# Altium PCB GameBoard_V1I1.PcbDoc (part 8 of 22) (continued)
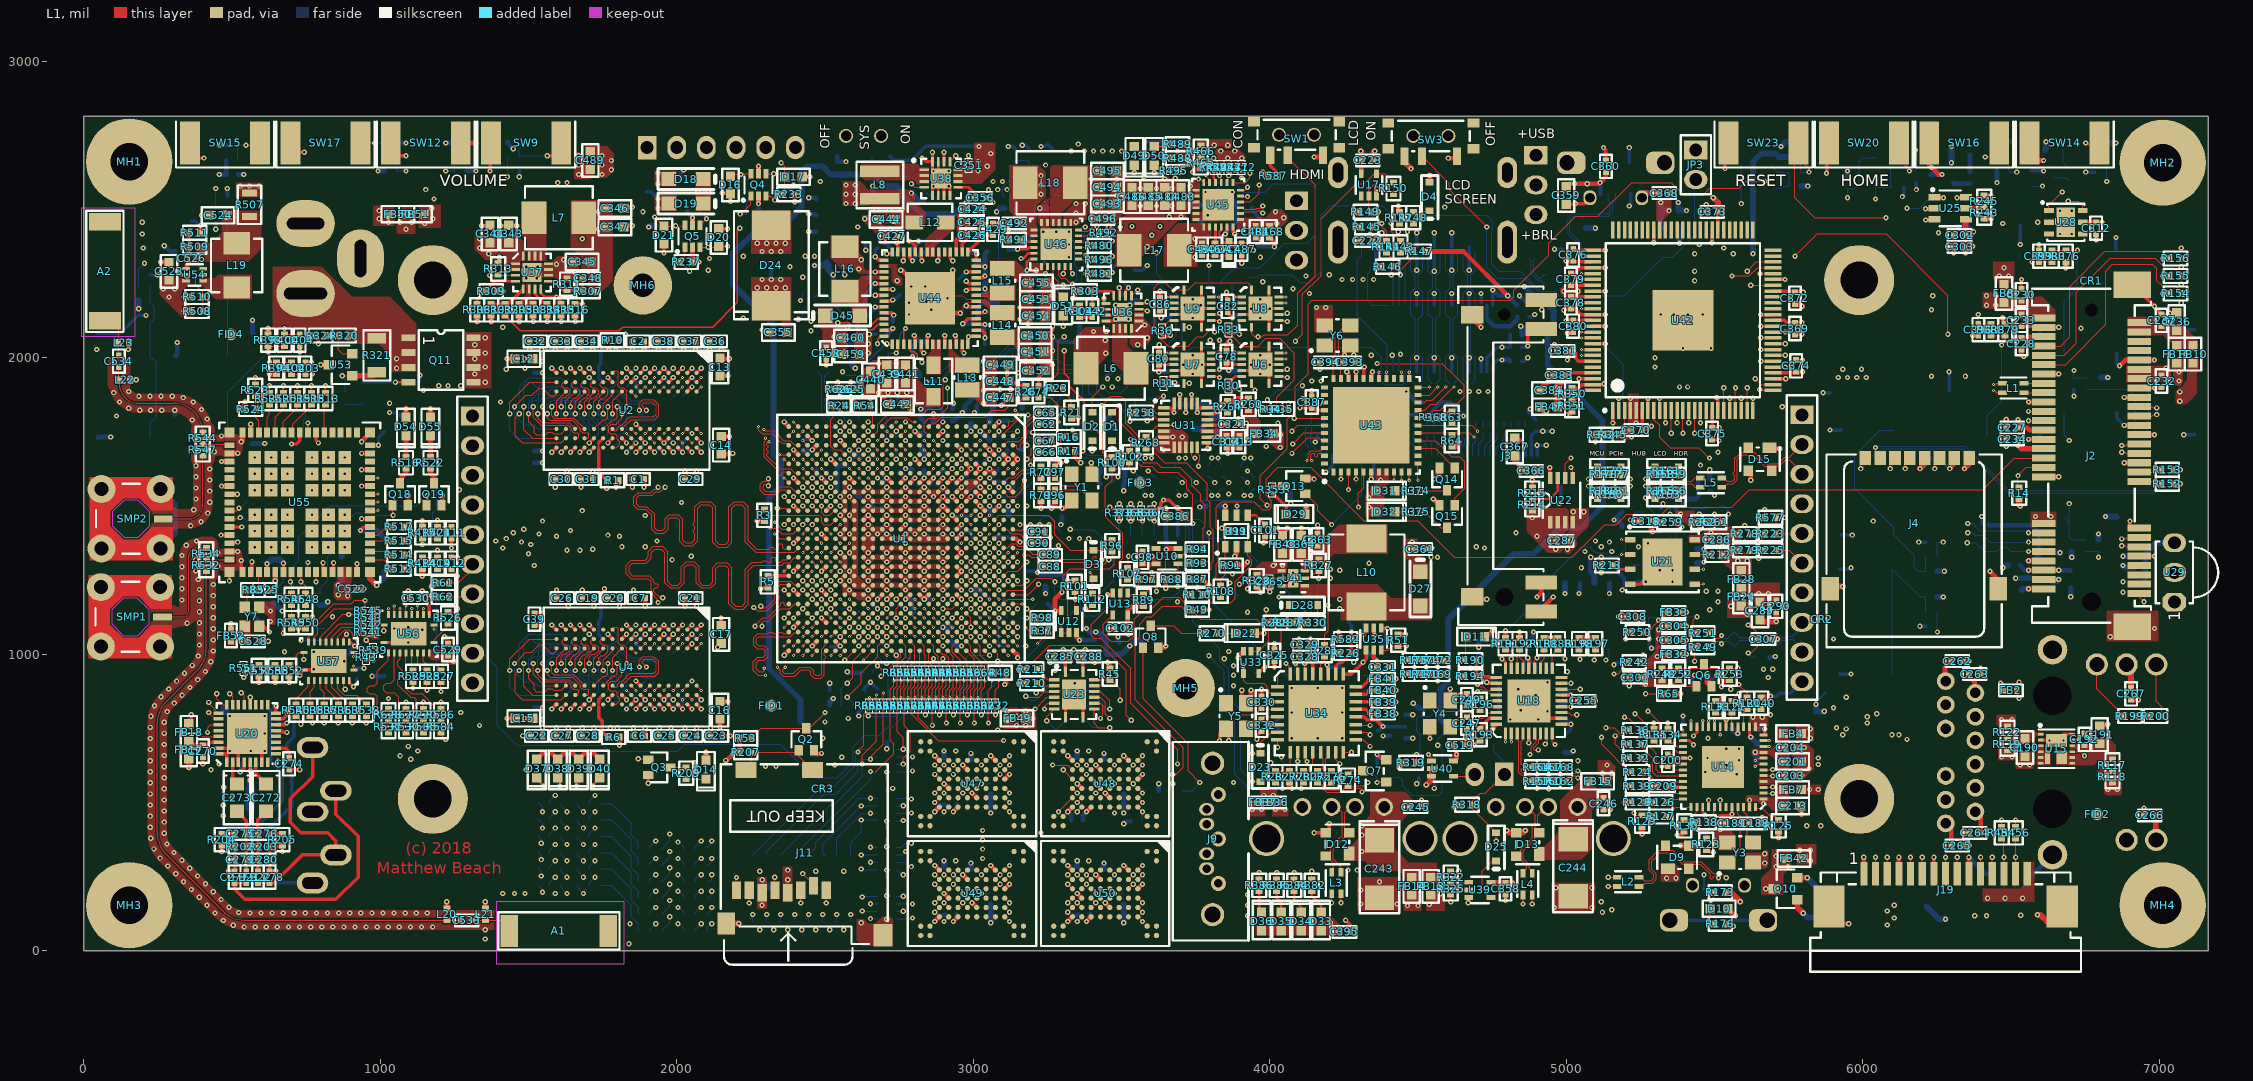
[diagram p0: L1 view]
## Nets (pads, with @x,y where several pads share a name; then routed paths per layer and width w, separated by ;. In a path a pad name is that pad's centre, name@x,y a point inside that pad or via, vN(x,y) a via of type N, cw(c..) or ccw(c..) an arc to the next point about the centre after c; other vN are vias at no path point) (continued)
  L10 w3.15: v2(1425.2,1960.63) 1431.1,1960.63 1441.93,1971.46 1441.93,2128.94 1731.3,2418.31 1745.08,2418.31 1818.9,2492.13 v1(1885.83,2492.13) ; v1(3933.07,2622.05) 3933.07,2610.24 3910.43,2587.6 3910.43,2425.32 3968.5,2367.25 v1(3968.5,2338.58)
  L2 w3.15: v4(2618.11,992.13) v3(2629.92,980.31)
  L12 w3.15: v1(3933.07,2622.05) 3933.07,2645.67 TP48.1@3944.88,2657.48
CHARGE_INT2: R481.1 U46.7 | length 110.9
  L1 w3.15: U46.7@3354.33,2332.68 3367.13,2332.68 3392.72,2307.09 3421.26,2307.09 R481.1@3444.88,2283.46
COMP_1V375: C342.2 R303.2 U36.8 | length 137.5
  L1 w9.06: C342.2@3401.57,2177.17 3401.57,2220.47 R303.2@3397.64,2224.41 3468.5,2224.41 3474.41,2218.5 U36.8@3474.41,2209.05
COMP_3V3_HDR: C349.2 R315.2 U37.8 | length 134.2
  L1 w9.84: U37.8@1541.34,2231.89 1541.34,2218.5 1555.12,2204.72 v1(1594.49,2204.72) 1610.24,2188.98 R315.2@1610.24,2181.1
  L12 w11.81: v1(1594.49,2204.72) 1594.49,2200.79 C349.2@1614.17,2181.1
COMP_BYP: C322.1 C323.1 U30.2 | length 93.2
  L12 w3.15: C323.1@5228.35,1429.13 C322.1@5267.72,1429.13 5271.65,1433.07 U30.2@5319.88,1433.07
COMP_C1: C320.1 U30.15 | length 53.1
  L12 w3.15: C320.1@5358.27,1354.33 5358.27,1370.08 5370.08,1381.89 U30.15@5370.08,1402.56
COMP_CRST: C324.1 R263.2 U30.8 | length 130.5
  L12 w15.75: U30.8@5389.76,1502.95 5389.76,1503.94 5409.45,1523.62 5437.01,1523.62 5444.88,1531.5 R263.2@5444.88,1594.49
COMP_INT: R47.1 R255.2 R257.2 U1.N25 | length 4079.3
  L1 w3.15: v2(2677.17,960.63) 2688.98,948.82 2713.79,948.82 2755.91,990.93 U1.N25@2755.91,1011.81
  L3 w3.15: v2(2677.17,960.63) 2665.51,960.63 2622.05,917.17 2622.05,863.98 2638.19,847.83 2699.98,847.83 2740.92,888.78 3046.26,888.78 3104.33,830.71 3204.72,830.71 3212.6,838.58 3291.34,838.58 3303.15,826.77 3367.13,826.77 3434.06,893.7 3523.62,893.7 3649.61,767.72 3777.87,767.72 3838.58,828.43 3838.58,900.9 3846.46,908.77 v1(3846.46,984.25) ; v1(3874.02,1271.65) 3880.91,1271.65 3882.38,1270.18 3899.61,1287.4 3966.59,1287.4 3982.34,1271.65 4041.03,1271.65 4060.71,1251.97 4091.54,1251.97 4110.24,1233.27 4219.03,1233.27 4233.79,1248.03 4267.72,1248.03 4291.34,1271.65 5064.37,1271.65 5101.17,1308.46 5143.1,1308.46 5173.23,1338.58 5173.23,1366.14 5161.42,1377.95 v1(5145.67,1377.95)
  L10 w3.15: v1(3846.46,984.25) 3846.46,1244.09 v1(3874.02,1271.65) ; v1(5145.67,1377.95) 5195.87,1377.95 5269.69,1451.77 5526.57,1451.77 v1(5547.24,1472.44)
  L12 w3.15: R47.1@2661.42,937.01 2661.42,944.88 v2(2677.17,960.63) ; R257.2@5519.69,1444.88 5531.5,1444.88 5547.24,1460.63 v1(5547.24,1472.44) 5547.24,1484.25 5531.5,1500 R255.2@5519.69,1500
COMP_INT1: R257.1 U30.11 | length 63.3
  L12 w3.15: U30.11@5420.28,1452.76 5472.44,1452.76 R257.1@5480.32,1444.88
COMP_INT2: R255.1 U30.9 | length 63.3
  L12 w3.15: U30.9@5420.28,1492.13 5472.44,1492.13 R255.1@5480.31,1500
COMP_RST: R265.2 U30.16 U32.4 | length 178.1
  L12 w3.15: U32.4@5226.38,1301.18 5269.69,1301.18 R265.2@5275.59,1307.09 5299.21,1330.71 5299.21,1342.52 5350.39,1393.7 U30.16@5350.39,1402.56
COMP_SA1: R261.1 R262.1 U30.10 | length 71.5
  L1 w3.15: v1(5448.82,1472.44) 5476.38,1444.88 R261.1@5480.31,1444.88
  L12 w3.15: U30.10@5420.28,1472.44 v1(5448.82,1472.44)
CPU_BT_EN: R623.1 U1.B20 | length 5524.7
  L1 w3.15: U1.B20@3102.36,1169.29 3118.11,1185.04 v3(3200.51,1185.04)
  L3 w3.15: v1(732.28,1047.24) 712.6,1027.56 712.6,988.19 850.39,850.39 933.07,850.39 1042.32,741.14 1400.59,741.14 1457.68,684.06 1725.39,684.06 1779.53,629.92 1980.31,629.92 2023.62,586.61 2468.5,586.61 2535.43,519.68 2535.43,274.4 2573.61,236.22 2716.38,236.22 2916.18,436.02 3044.13,436.02 3103.19,376.97 3183.07,376.97 3192.91,367.13 3245.08,367.13 3259.84,381.89 3610.51,381.89 3795.55,566.93 v1(3877.95,566.93) ; v4(3212.32,1173.23) 3224.13,1161.42 3291.34,1161.42 3313.98,1138.78 3384.07,1138.78 3398.83,1153.54 3686.23,1153.54 3710.84,1178.15 3749.34,1178.15 3756.23,1185.04 3822.83,1185.04 3850.39,1157.48 3909.45,1157.48 v1(3925.2,1141.73)
  L10 w3.15: v1(3877.95,566.93) 3877.95,603.04 3885.69,610.77 3885.69,704.59 4010.83,829.72 4010.83,871.06 3958.66,923.23 3958.66,1119.09 3936.02,1141.73 v1(3925.2,1141.73)
  L2 w3.15: v3(3200.51,1185.04) v4(3212.32,1173.23) v4@3214.43,1171.12
  L12 w3.15: v1(732.28,1047.24) R623.1@814.96,1047.24
CPU_GPIO0: R280.2 U1.D18 | length 2233.3
  L1 w3.15: U1.D18@3039.37,1232.28 v3(3055.12,1216.54) ; v1(4106.3,547.24) 4106.3,559.05 R280.2@4114.17,566.93
  L3 w3.15: v4(3066.93,1228.35) 3069.88,1231.3 3186.99,1231.3 3207.66,1251.97 3253.09,1251.97 3259.98,1258.86 3284.45,1258.86 3311.02,1232.28 3551.11,1232.28 3571.16,1212.6 v1(3618.11,1212.6)
  L10 w3.15: v1(3618.11,1212.6) 3681.75,1148.96 3739.51,1148.96 3810.04,1219.49 3810.04,1243.11 3858.27,1291.34 3912.26,1291.34 3928.01,1275.59 4055.12,1275.59 4090.55,1311.02 4247.62,1311.02 4267.3,1291.34 4267.3,1109.82 4247.89,1090.41 4247.89,992.13 4224.41,968.64 4224.41,688.98 4106.3,570.87 v1(4106.3,547.24)
  L2 w3.15: v3(3055.12,1216.54) v4(3066.93,1228.35)
CPU_GPIO1: R281.2 U1.E18 | length 1457.8
  L1 w3.15: U1.E18@3007.87,1232.28 v3(3023.62,1216.54) ; R281.2@4185.04,1031.5 4185.04,1066.93 4196.85,1078.74 v1(4196.85,1165.35)
  L3 w3.15: v4(3035.43,1228.35) 3039.37,1232.28 3039.37,1255.91 3047.24,1263.78 3098.43,1263.78 3110.24,1275.59 3182.09,1275.59 3196.85,1260.83 3232.81,1260.83 3243.36,1271.38 3319.17,1271.38 3338.58,1251.97 3547.24,1251.97 3568.9,1230.31 3624.02,1230.31 3653.54,1259.84 3799.73,1259.84 3870.6,1188.98 3941.79,1188.98 3957.54,1173.23 4003.26,1173.23 4011.27,1165.22 4043.17,1165.22 4050.91,1172.95 4189.25,1172.95 v1(4196.85,1165.35)
  L2 w3.15: v3(3023.62,1216.54) v4(3035.43,1228.35)
CPU_GPIO2: R282.2 U1.E23 | length 1597.1
  L1 w3.15: U1.E23@3007.87,1074.8 v2(3023.62,1059.06) ; v1(3984.25,598.43) 4015.75,566.93 R282.2@4019.69,566.93
  L3 w3.15: v2(3023.62,1059.06) 3023.62,996.06 3066.79,952.89 3087.48,952.89 3087.48,952.7 3127.66,912.52 3127.66,898.5 3140.33,885.83 3347.65,885.83 3390.96,929.13 3589.57,929.13 3655.02,994.59 v1(3794.8,994.59)
  L12 w3.15: v1(3794.8,994.59) 3846.46,942.94 3846.46,811.16 3882.03,775.59 3882.03,594.35 3929.13,547.24 3956.69,547.24 3984.25,574.8 v1(3984.25,598.43)
CPU_WIFI_LS_EN: R551.1 U1.C19 | length 6449.9
  L1 w3.15: v1(539.37,921.26) R551.1@539.37,942.32 ; U1.C19@3070.87,1200.79 v3(3086.61,1185.04)
  L3 w3.15: v1(1413.39,2102.36) 1447.83,2136.81 2128.94,2136.81 2188.98,2196.85 2389.76,2196.85 2409.45,2216.54 2409.45,2255.91 v1(2425.2,2271.65) ; v4(3098.43,1173.23) 3141.73,1173.23 3161.42,1192.91 3212.6,1192.91 3232.28,1173.23 3295.28,1173.23 3307.09,1161.42 3364.95,1161.42 3371.84,1168.31 3384.07,1168.31 3390.96,1161.42 3673.23,1161.42 v1(3688.98,1177.17)
  L10 w3.15: v1(539.37,921.26) 598.43,980.31 677.17,980.31 724.41,1027.56 818.9,1027.56 845.47,1000.98 927.38,1000.98 967.52,1041.13 967.52,1152.56 1011.81,1196.85 1011.81,1750.21 1000,1762.02 1000,1858.27 1027.56,1885.83 1055.12,1885.83 1074.8,1905.51 1169.29,1905.51 1185.04,1889.76 1296.47,1889.76 1410.43,2003.73 1410.43,2099.41 v1(1413.39,2102.36) ; v1(2425.2,2271.65) 2540.35,2156.5 2692.7,2156.5 2766.52,2082.68 2787.4,2082.68 2798.23,2093.5 2855.31,2093.5 2900.59,2048.23 3000.98,2048.23 3020.67,2028.54 3055.12,2028.54 3080.71,2002.95 3221.04,2002.95 3226.95,1997.05 3609.25,1997.05 3649.61,1956.69 3649.61,1925.97 3684.83,1890.75 3747.05,1890.75 3751.97,1885.83 3846.46,1885.83 3877.95,1854.33 3952.76,1854.33 3984.25,1885.83 4003.94,1885.83 4019.69,1870.08 4019.69,1807.09 3996.06,1783.46 3996.06,1724.93 4011.81,1709.18 4011.81,1679.13 4019.69,1671.26 4019.69,1560.04 3921.26,1461.61 3795.28,1461.61 3751.97,1418.31 3751.97,1299.21 3704.61,1251.85 3704.61,1222.23 3688.98,1206.6 v1(3688.98,1177.17)
  L2 w3.15: v3(3086.61,1185.04) v4(3098.43,1173.23)
CPU_WL_EN: R546.1 R549.2 U1.V6 | length 3526.2
  L1 w3.15: v1(673.23,1070.87) 673.23,1098.43 R549.2@700.79,1125.98 R546.1@700.79,1165.35 ; v3(2582.68,1625.98) U1.V6@2598.43,1610.24
  L3 w3.15: v1(673.23,1070.87) 677.17,1066.93 744.09,1066.93 803.15,1007.87 803.15,925.2 862.2,866.14 944.88,866.14 1031.5,779.53 1236.9,779.53 1256.58,759.84 v1(1334.65,759.84) ; v1(2059.06,633.86) 2059.06,662.38 2083.33,686.65 2355.39,686.65 2491.57,822.83 2523.62,822.83 2544.29,843.5 2544.29,953.58 2552.17,961.46 2552.17,986.43 2578.74,1013 2578.74,1055.12 2551.18,1082.68 2551.18,1180.12 2563.98,1192.91 2579.93,1192.91 2597.44,1210.42 2597.44,1270.67 2623.03,1296.26 2651.78,1296.26 2673.23,1317.7 2673.23,1327.97 2723.43,1378.16 2723.43,1400.59 2756.89,1434.06 2756.89,1565.94 2744.09,1578.74 2682.3,1578.74 2650.8,1547.24 2619.3,1547.24 2586.82,1579.72 2576.56,1579.72 2567.91,1588.37 2567.91,1611.22 v4(2570.87,1614.17)
  L10 w3.15: v1(1334.65,759.84) 1334.65,746.84 1486.01,595.47 1498.24,595.47 1520.88,618.11 1549.99,618.11 1556.88,625 1569.11,625 1579.93,614.17 1616.92,614.17 1627.74,625 1639.97,625 1650.8,614.17 1687.78,614.17 1698.61,625 1710.84,625 1721.67,614.17 2031.5,614.17 2051.18,633.86 v1(2059.06,633.86)
  L2 w3.15: v4(2570.87,1614.17) v3(2582.68,1625.98)
CPU_XTALI: C96.1 R77.1 R79.1 U1.A7 Y1.3 | length 340.8
  L1 w3.15: U1.A7@3133.86,1578.74 3165.35,1610.24 3212.6,1610.24 R77.1@3228.35,1594.49 R79.1@3228.35,1555.12 C96.1@3275.59,1555.12 3364.17,1555.12 Y1.3@3400.59,1518.7
CPU_XTALO: C97.1 R77.2 U1.B7 Y1.1 | length 339
  L1 w3.15: U1.B7@3102.36,1578.74 3118.11,1594.49 3138.39,1594.49 3165.35,1621.46 3215.95,1621.46 R77.2@3228.35,1633.86 3236.22,1633.86 C97.1@3275.59,1594.49 3301.18,1568.9 3343.5,1568.9 3349.41,1574.8 3349.41,1589.57 Y1.1@3331.69,1607.28
CSI_CLK0_N: R453.1 U1.F4 | length 1225
  L1 w3.35: U1.F4@2976.38,1673.23 v3(2992.13,1657.48)
  L3 w3.35: v4(3003.94,1669.29) 3004.19,1669.55 3004.19,1680.22 3023.92,1699.94 3023.92,1715.85 3042.13,1734.06 3066.3,1734.06 3073.88,1726.48 3139.05,1726.48 3146.23,1719.29 3193.48,1719.29 3255.91,1656.86 3255.91,1631.65 3268.66,1618.9 3311.65,1618.9 3352.89,1660.14 3403.63,1660.14 3412.11,1651.66 3412.11,1636.85 3432.42,1616.54 3452.62,1616.54 3463.29,1605.87 3463.29,1587.28 3484.91,1565.65 3627.63,1565.65 3683.34,1509.94 3737.39,1509.94 3744.18,1516.73 3773.78,1516.73 3786.77,1503.74 3833.67,1503.74 3844.4,1514.47 3915.06,1514.47 v1(3936.02,1535.43)
  L2 w3.15: v3(2992.13,1657.48) v4(3003.94,1669.29)
  L12 w3.35: v1(3936.02,1535.43) 3936.02,1546.26 R453.1@3948.82,1559.06
CSI_CLK0_P: R457.1 U1.F3 | length 1224.6
  L1 w3.35: U1.F3@2976.38,1704.73 v3(2992.13,1688.98)
  L3 w3.35: v4(3003.94,1700.79) 3005.56,1702.41 3010.79,1702.41 3012.89,1704.51 3012.89,1720.41 3037.56,1745.08 3052.17,1745.08 3057.09,1750 3057.09,1756.89 3060.04,1759.84 3064.96,1759.84 3067.91,1756.89 3067.91,1748.03 3078.45,1737.5 3143.61,1737.5 3150.8,1730.31 3198.04,1730.31 3266.93,1661.43 3266.93,1636.22 3273.23,1629.92 3307.09,1629.92 3317.42,1640.26 3317.42,1648.13 3320.87,1651.57 3328.74,1651.57 3347.74,1670.57 3408.79,1670.57 3423.13,1656.23 3423.13,1641.41 3436.98,1627.56 3457.19,1627.56 3473.72,1611.03 3473.72,1592.43 3489.48,1576.67 3632.2,1576.67 3687.9,1520.96 3732.82,1520.96 3739.62,1527.76 3778.35,1527.76 3791.34,1514.76 3829.11,1514.76 3839.83,1525.49 3877.95,1525.49 3880.91,1528.44 3880.91,1533.46 3883.86,1536.42 3887.8,1536.42 3890.75,1533.46 3890.75,1528.44 3893.7,1525.49 3904.43,1525.49 v1(3914.37,1535.43)
  L2 w3.15: v3(2992.13,1688.98) v4(3003.94,1700.79)
  L12 w3.35: R457.1@3901.57,1559.06 3914.37,1546.26 v1(3914.37,1535.43)
CSI_CLK0_R_N: J19.8 R453.2 R455.2 | length 5625.2
  L1 w3.35: J19.8@6279.53,259.84 v1(6279.53,314.96)
  L3 w3.35: v1(3925.2,1618.11) 3925.2,1610.24 3931.5,1603.94 3949.47,1603.94 3980.97,1572.44 4244.69,1572.44 4261.09,1588.85 4261.09,1600.5 4283.33,1622.74 4560.33,1622.74 4696.95,1486.12 4909.13,1486.12 4958.24,1437.01 5230.57,1437.01 5268.07,1399.51 5286.15,1399.51 5328.12,1357.54 5415.67,1357.54 5435.41,1337.8 5484,1337.8 5559.71,1262.09 5960.61,1262.09 5979.14,1243.56 5985.71,1243.56 6019.31,1277.17 6035.01,1277.17 6049.38,1262.8 6049.38,1247.1 5943.5,1141.22 5943.5,1134.65 5951.41,1126.74 5957.97,1126.74 6066,1234.77 6081.7,1234.77 6096.06,1220.4 6096.06,1204.7 5985.85,1094.49 5985.85,1087.92 5993.76,1080.01 6000.33,1080.01 6123.63,1203.32 6139.33,1203.32 6153.7,1188.95 6153.7,1173.25 6032.61,1052.16 6032.61,1045.59 6040.51,1037.68 6047.08,1037.68 6172.3,1162.9 6188,1162.9 6202.36,1148.53 6202.36,1132.83 6149.4,1079.87 6149.4,1073.3 6154.2,1068.5 6200.81,1068.5 6236.24,1103.94 6436.98,1103.94 6500.9,1040.02 6500.9,818.62 6529.43,790.09 6529.43,777.5 6671.77,635.15 6697.78,635.15 6769.29,563.64 6769.29,279.55 6682.65,192.91 6374.02,192.91 6293.7,273.23 6293.7,299.61 6293.7,310.63 6289.37,314.96 v1(6279.53,314.96)
  L12 w3.35: v1(3925.2,1618.11) 3944.88,1598.43 R453.2@3948.82,1598.43
CSI_CLK0_R_P: J19.9 R457.2 R460.2 | length 5624.5
  L1 w3.35: J19.9@6318.9,259.84 v1(6318.9,314.96)
  L3 w3.35: v1(3925.2,1578.74) 3925.2,1587.6 3930.51,1592.91 3944.91,1592.91 3976.4,1561.42 4249.25,1561.42 4272.12,1584.28 4272.12,1595.94 4287.9,1611.71 4555.77,1611.71 4692.38,1475.1 4904.56,1475.1 4953.68,1425.98 5226.01,1425.98 5263.51,1388.48 5281.58,1388.48 5323.55,1346.51 5411.1,1346.51 5430.84,1326.77 5479.44,1326.77 5555.14,1251.07 5956.04,1251.07 5974.57,1232.54 5990.27,1232.54 6023.88,1266.14 6030.45,1266.14 6038.35,1258.23 6038.35,1251.67 5932.48,1145.79 5932.48,1130.09 5946.84,1115.72 5962.54,1115.72 6070.56,1223.74 6077.13,1223.74 6085.04,1215.84 6085.04,1209.27 5974.83,1099.05 5974.83,1083.35 5989.19,1068.99 6004.89,1068.99 6128.2,1192.29 6134.77,1192.29 6142.67,1184.39 6142.67,1177.82 6021.58,1056.72 6021.58,1041.02 6035.95,1026.66 6051.65,1026.66 6176.86,1151.87 6183.43,1151.87 6191.34,1143.97 6191.34,1137.4 6138.38,1084.44 6138.38,1068.73 6149.63,1057.48 6205.38,1057.48 6240.81,1092.91 6432.42,1092.91 6489.88,1035.46 6489.88,814.05 6518.41,785.52 6518.41,772.93 6667.21,624.13 6693.22,624.13 6758.27,559.08 6758.27,284.12 6708.66,234.51 6703.01,234.51 6698.56,230.06 6698.56,224.41 6694.62,220.47 6688.98,220.47 6685.04,216.54 6685.04,210.89 6678.09,203.94 6669.29,203.94 6664.57,208.66 6658.27,208.66 6653.54,203.94 6647.24,203.94 6642.52,208.66 6636.22,208.66 6631.5,203.94 6623.62,203.94 6618.9,208.66 6612.6,208.66 6607.87,203.94 6600,203.94 6595.28,208.66 6588.19,208.66 6583.46,203.94 6575.59,203.94 6570.87,208.66 6564.57,208.66 6559.84,203.94 6551.97,203.94 6547.24,208.66 6540.94,208.66 6536.22,203.94 6528.35,203.94 6523.62,208.66 6517.32,208.66 6512.6,203.94 6504.72,203.94 6500,208.66 6492.91,208.66 6488.19,203.94 6480.31,203.94 6475.59,208.66 6469.29,208.66 6464.57,203.94 6456.69,203.94 6451.97,208.66 6445.67,208.66 6440.94,203.94 6433.07,203.94 6428.35,208.66 6422.05,208.66 6417.32,203.94 6409.45,203.94 6404.72,208.66 6398.43,208.66 6393.7,203.94 6378.58,203.94 6304.72,277.79 6304.72,295.04 6304.72,310.63 6309.06,314.96 v1(6318.9,314.96)
  L12 w3.35: R457.2@3901.57,1598.43 3905.51,1598.43 v1(3925.2,1578.74)
CSI_D0_N: R443.1 U1.E4 | length 925.9
  L1 w3.35: U1.E4@3007.87,1673.23 v3(3023.62,1688.98)
  L3 w3.35: v4(3035.43,1677.17) 3035.43,1689.75 3049.13,1703.45 3092.61,1703.45 3117.2,1678.85 3180.56,1678.85 3213.39,1646.02 3213.39,1611.84 3241.76,1583.46 3336.98,1583.46 3373.99,1620.47 3381.91,1620.47 3392.13,1610.26 3392.13,1602.34 3364.57,1574.78 3364.57,1558.4 3381.24,1541.73 3397.62,1541.73 3429.11,1573.23 3440.63,1573.23 3447.24,1566.61 3447.24,1559.03 3435.43,1547.22 3435.43,1527.58 3452.48,1510.53 3469.45,1510.53 3481.26,1522.34 3522.18,1522.34 3539.01,1539.17 3546.46,1539.17 3549.21,1536.42 3549.21,1530.51 3552.17,1527.56 3557.09,1527.56 3561.02,1531.5 3561.02,1536.22 3563.98,1539.17 3576.97,1539.17 3576.97,1538.18 v1(3579.72,1535.43)
  L2 w3.15: v3(3023.62,1688.98) v4(3035.43,1677.17)
  L12 w3.35: R443.1@3566.93,1559.06 3579.72,1546.26 v1(3579.72,1535.43)
CSI_D0_P: R445.1 U1.E3 | length 923.5
  L1 w3.35: U1.E3@3007.87,1704.73 v3(3023.62,1720.47)
  L3 w3.35: v4(3035.43,1708.66) 3037.72,1708.66 3040.44,1711.38 3041.47,1711.38 3044.56,1714.47 3097.17,1714.47 3104.64,1707 3109.93,1707 3113.19,1703.74 3113.19,1698.45 3121.77,1689.88 3185.12,1689.88 3224.41,1650.59 3224.41,1616.4 3246.32,1594.49 3332.42,1594.49 3369.43,1631.5 3386.48,1631.5 3403.15,1614.82 3403.15,1597.77 3375.59,1570.21 3375.59,1562.97 3385.8,1552.76 3393.05,1552.76 3424.55,1584.25 3445.2,1584.25 3458.27,1571.18 3458.27,1554.47 3446.46,1542.65 3446.46,1532.15 3457.05,1521.56 3464.89,1521.56 3476.7,1533.37 3517.62,1533.37 3534.45,1550.2 3587.51,1550.2 3601.38,1536.33 v1(3601.38,1535.43)
  L2 w3.15: v3(3023.62,1720.47) v4(3035.43,1708.66)
  L12 w3.35: v1(3601.38,1535.43) 3601.38,1546.26 R445.1@3614.17,1559.06
CSI_D0_R_N: J19.2 R443.2 R444.2 | length 5657.7
  L1 w3.35: J19.2@6043.31,259.84 v1(6043.31,314.96)
  L3 w3.35: v1(3539.37,1618.11) 3567.41,1618.11 3590.63,1641.34 3720.71,1641.34 3742.66,1619.39 3771.38,1619.39 3795.3,1643.31 3857.61,1643.31 3901.22,1686.91 3946.58,1686.91 3993.83,1639.67 4208.31,1639.67 4251.71,1683.07 4606.56,1683.07 4724.47,1565.16 4964.63,1565.16 5023.98,1505.81 5243.78,1505.81 5259.4,1490.18 5288.67,1490.18 5322.95,1455.91 5483.33,1455.91 5579.39,1359.84 5661.44,1359.84 5763.8,1462.2 5961.28,1462.2 6071.52,1351.97 6284.12,1351.97 6430.08,1206 6590.15,1206 6722.05,1074.1 6722.05,914.04 6757.48,878.61 6757.48,756.56 6887.4,626.64 6887.4,531.52 6841.73,485.85 6841.73,152.91 6789.21,100.39 6625,100.39 6613.19,88.58 6318.27,88.58 6281.06,125.79 6171.87,125.79 6057.48,240.18 6057.48,300.79 v1(6043.31,314.96)
  L12 w3.35: v1(3539.37,1618.11) 3559.06,1598.43 R443.2@3566.93,1598.43
CSI_D0_R_P: J19.3 R445.2 R446.2 | length 5658.3
  L1 w3.35: J19.3@6082.68,259.84 v1(6082.68,314.96)
  L3 w3.35: v1(3590.55,1618.11) 3590.55,1625 3595.87,1630.32 3606.89,1630.32 3610.24,1626.97 3610.24,1620.08 3613.19,1617.13 3618.11,1617.13 3621.06,1620.08 3621.06,1626.97 3624.41,1630.32 3716.14,1630.32 3738.09,1608.37 3775.95,1608.37 3799.87,1632.28 3862.18,1632.28 3905.78,1675.89 3942.02,1675.89 3989.26,1628.64 4212.87,1628.64 4256.28,1672.05 4601.99,1672.05 4719.91,1554.13 4960.06,1554.13 5019.41,1494.78 5239.21,1494.78 5254.84,1479.15 5284.11,1479.15 5318.38,1444.88 5478.76,1444.88 5574.83,1348.82 5666.01,1348.82 5768.37,1451.18 5956.72,1451.18 6066.95,1340.95 6279.55,1340.95 6425.52,1194.98 6585.58,1194.98 6711.02,1069.54 6711.02,909.47 6746.46,874.04 6746.46,751.99 6876.38,622.07 6876.38,536.08 6830.71,490.41 6830.71,440.94 6826.77,437.01 6826.77,429.13 6830.71,425.2 6830.71,417.32 6826.77,413.39 6826.77,405.51 6830.71,401.57 6830.71,393.7 6826.77,389.76 6826.77,381.89 6830.71,377.95 6830.71,370.08 6826.77,366.14 6826.77,358.27 6830.71,354.33 6830.71,346.46 6826.77,342.52 6826.77,334.65 6830.71,330.71 6830.71,322.83 6826.77,318.9 6826.77,311.02 6830.71,307.09 6830.71,299.21 6826.77,295.28 6826.77,287.4 6830.71,283.46 6830.71,275.59 6826.77,271.65 6826.77,263.78 6830.71,259.84 6830.71,251.97 6826.77,248.03 6826.77,240.16 6830.71,236.22 6830.71,228.35 6826.77,224.41 6826.77,216.54 6830.71,212.6 6830.71,204.72 6826.77,200.79 6826.77,192.91 6830.71,188.98 6830.71,181.1 6826.77,177.17 6826.77,169.29 6830.71,165.35 6830.71,157.48 6784.65,111.42 6620.44,111.42 6608.62,99.61 6322.83,99.61 6285.63,136.81 6263.78,136.81 6258.86,141.73 6249.02,141.73 6244.09,136.81 6234.25,136.81 6228.35,142.72 6218.5,142.72 6212.6,136.81 6203.74,136.81 6197.83,142.72 6190.94,142.72 6185.04,136.81 6176.44,136.81 6169.29,143.96 6169.29,151.57 6162.4,158.46 6154.79,158.46 6148.62,164.63 6148.62,172.24 6143.7,177.17 6136.09,177.17 6130.91,182.35 6130.91,191.93 6125,197.83 6115.42,197.83 6110.24,203.01 6110.24,210.63 6105.06,215.81 6097.44,215.81 6090.55,222.7 6090.55,232.28 6085.37,237.46 6075.79,237.46 6068.5,244.75 6068.5,250 6074.8,256.3 6074.8,264.76 6068.5,271.06 6068.5,276.18 6074.8,282.48 6074.8,287.4 6068.5,293.7 6068.5,300.79 v1(6082.68,314.96)
  L12 w3.35: v1(3590.55,1618.11) 3610.24,1598.43 R445.2@3618.11,1598.43
CSI_D1_N: R447.1 U1.D1 | length 1072.2
  L1 w3.35: U1.D1@3039.37,1767.72 v3(3055.12,1783.46)
  L3 w3.35: v4(3043.31,1795.28) 3043.93,1794.66 3052.27,1794.66 3066.57,1808.96 3102.05,1808.96 3133.54,1777.46 3207.41,1777.46 3235.26,1749.61 3255.93,1749.61 3267.74,1761.42 3291.32,1761.42 3304.72,1748.01 3304.72,1726.14 3293.5,1714.92 3293.5,1700.17 3299.19,1694.49 3341.87,1694.49 3358.01,1710.63 3439.96,1710.63 3454.04,1696.56 3454.04,1686.92 3462.51,1678.44 3474.5,1678.44 3482.97,1686.92 3482.97,1696.56 3496.36,1709.94 3547.52,1709.94 3560.63,1696.83 3560.63,1667.91 3524.9,1632.18 3524.9,1610.51 3532.06,1603.35 3659.66,1603.35 3710.24,1552.77 3710.24,1544.58 3715.55,1539.26 v1(3715.55,1535.43)
  L2 w3.15: v4(3043.31,1795.28) v3(3055.12,1783.46)
  L12 w3.35: v1(3715.55,1535.43) 3715.55,1546.26 R447.1@3728.35,1559.06
CSI_D1_P: R449.1 U1.D2 | length 1072
  L1 w3.35: U1.D2@3039.37,1736.22 v3(3055.12,1751.97)
  L3 w3.35: v4(3043.31,1763.78) 3043.79,1764.26 3043.79,1770.58 3071.14,1797.93 3097.48,1797.93 3128.97,1766.44 3202.84,1766.44 3230.7,1738.58 3260.49,1738.58 3272.3,1750.39 3286.75,1750.39 3293.7,1743.44 3293.7,1730.71 3282.48,1719.49 3282.48,1695.61 3294.62,1683.47 3346.43,1683.47 3362.58,1699.61 3411.42,1699.61 3415.16,1695.87 3421.26,1695.87 3425,1699.61 3435.39,1699.61 3443.01,1691.99 3443.01,1682.35 3457.94,1667.42 3479.06,1667.42 3494,1682.35 3494,1691.99 3500.92,1698.92 3506.89,1698.92 3510.93,1694.88 3516.63,1694.88 3520.67,1698.92 3542.95,1698.92 3549.61,1692.26 3549.61,1672.48 3513.88,1636.75 3513.88,1605.94 3527.5,1592.32 3655.09,1592.32 3699.21,1548.2 3699.21,1544.58 3693.9,1539.26 v1(3693.9,1535.43)
  L2 w3.15: v4(3043.31,1763.78) v3(3055.12,1751.97)
  L12 w3.35: R449.1@3681.1,1559.06 3693.9,1546.26 v1(3693.9,1535.43)
CSI_D1_R_N: J19.5 R447.2 R448.2 | length 5642.1
  L1 w3.35: J19.5@6161.42,259.84 v1(6161.42,314.96)
  L3 w3.35: v1(3751.97,1578.74) 3754.66,1576.05 3754.66,1568.5 3756.62,1566.54 3783.07,1566.54 3789.11,1572.58 3789.11,1590.55 3808.07,1609.51 3871.73,1609.51 3905.83,1643.6 3952.44,1643.6 3989.74,1606.3 4129.3,1606.3 4139.05,1616.04 4160.17,1616.04 4176.5,1599.7 4211.65,1599.7 4265.49,1653.54 4582.68,1653.54 4711.42,1524.8 4914.43,1524.8 4973.49,1465.75 5134.42,1465.75 5147.02,1478.35 5230.52,1478.35 5262.41,1446.46 5299.19,1446.46 5346.43,1399.21 5470.71,1399.21 5571.49,1298.43 5690.57,1298.43 5753.57,1361.42 5998.4,1361.42 6051.16,1308.66 6232.26,1308.66 6245.67,1295.25 6245.67,1275.61 6232.26,1262.2 6126.64,1262.2 6119.69,1255.25 6119.69,1244.75 6126.64,1237.8 6350.37,1237.8 6367.72,1220.45 6367.72,1176.51 6350.37,1159.17 6236.87,1159.17 6229.92,1152.22 6229.92,1141.71 6236.87,1134.76 6524.27,1134.76 6553.05,1105.98 6553.05,811.38 6606.95,757.48 6677.14,757.48 6706.3,728.32 6706.3,677.14 6788.68,594.76 6788.68,575.08 6804.72,559.03 6804.72,224.43 6720.45,140.16 6329.77,140.16 6175.59,294.34 6175.59,310.63 6171.26,314.96 v1(6161.42,314.96)
  L12 w3.35: R447.2@3728.35,1598.43 3732.28,1598.43 v1(3751.97,1578.74)
CSI_D1_R_P: J19.6 R449.2 R450.2 | length 5642.4
  L1 w3.35: J19.6@6200.79,259.84 v1(6200.79,314.96)
  L3 w3.35: v1(3704.72,1578.74) 3728.82,1578.74 3752.05,1555.51 3787.64,1555.51 3800.14,1568.01 3800.14,1585.99 3812.63,1598.48 3876.3,1598.48 3910.4,1632.58 3947.87,1632.58 3985.18,1595.28 4133.87,1595.28 4143.61,1605.02 4155.6,1605.02 4171.94,1588.68 4216.22,1588.68 4270.06,1642.52 4578.11,1642.52 4706.85,1513.78 4909.87,1513.78 4968.92,1454.72 5138.99,1454.72 5151.58,1467.32 5225.95,1467.32 5257.84,1435.43 5294.62,1435.43 5341.87,1388.19 5466.14,1388.19 5566.93,1287.4 5695.14,1287.4 5758.13,1350.39 5993.84,1350.39 6046.59,1297.64 6227.69,1297.64 6234.65,1290.69 6234.65,1280.18 6227.69,1273.23 6122.07,1273.23 6108.66,1259.82 6108.66,1240.18 6122.07,1226.77 6345.8,1226.77 6356.69,1215.88 6356.69,1181.08 6345.8,1170.19 6232.31,1170.19 6218.9,1156.78 6218.9,1137.14 6232.31,1123.73 6519.71,1123.73 6542.03,1101.41 6542.03,806.81 6602.39,746.46 6672.58,746.46 6695.28,723.76 6695.28,672.58 6777.66,590.2 6777.66,570.51 6793.7,554.47 6793.7,229 6715.88,151.18 6334.34,151.18 6221.74,263.78 6221.74,270.39 6216.54,275.59 6209.93,275.59 6204.72,280.79 6204.72,287.4 6200.79,291.34 6194.18,291.34 6186.61,298.9 6186.61,310.63 6190.94,314.96 v1(6200.79,314.96)
  L12 w3.35: R449.2@3681.1,1598.43 3685.04,1598.43 v1(3704.72,1578.74)
CSI_GPIO0: R461.1 U1.A15 | length 836.4
  L1 w3.15: U1.A15@3133.86,1326.77 v3(3149.61,1342.52)
  L3 w3.15: v4(3161.42,1354.33) 3164.37,1351.38 3309.06,1351.38 3322.83,1365.16 v2(3322.83,1389.76)
  L10 w3.15: v2(3322.83,1389.76) 3410.31,1477.24 3701.65,1477.24 3774.61,1550.2 3811.02,1550.2 v1(3825.79,1535.43)
  L2 w3.15: v3(3149.61,1342.52) v4(3161.42,1354.33)
  L12 w3.15: v1(3825.79,1535.43) 3825.79,1546.26 R461.1@3838.58,1559.06
CSI_GPIO1: R463.1 U1.B15 | length 829.8
  L1 w3.15: U1.B15@3102.36,1326.77 v3(3118.11,1342.52)
  L3 w3.15: v4(3129.92,1354.33) 3141.73,1342.52 3316.01,1342.52 3358.27,1384.78 v2(3358.27,1389.76)
  L10 w3.15: v2(3358.27,1389.76) 3433.07,1464.57 3711.4,1464.57 3782.27,1535.43 v1(3804.13,1535.43)
  L2 w3.15: v3(3118.11,1342.52) v4(3129.92,1354.33)
  L12 w3.15: R463.1@3791.34,1559.06 3804.13,1546.26 v1(3804.13,1535.43)
CSI_REXT: R499.2 U1.D4 | length 46.6
  L1 w7.87: U1.D4@3039.37,1673.23 v1(3055.12,1657.48)
  L12 w7.87: R499.2@3034.06,1649.61 3041.93,1657.48 v1@3055.12,1657.48
CSPI1_CLK: J14.3 R42.2 | length 3634
  L10 w3.15: J14.3@1311.02,1603.15 1276.38,1603.15 1225.39,1552.17 1225.39,1464.36 1178.15,1417.11 1178.15,1258.86 1187.99,1249.02 1187.99,1189.19 1163.39,1164.58 1163.39,1139.76 1169.29,1133.86 1169.29,1031.5 1012.8,875 1012.8,766.73 1043.31,736.22 1145.67,736.22 1200.79,681.1 1283.46,681.1 1479.33,485.24 1806.1,485.24 1814.96,476.38 1814.96,451.2 1820.87,445.29 1832.68,445.29 1838.58,451.2 1838.58,495.08 1844.49,500.99 1856.3,500.99 1862.2,495.08 1862.2,451.2 1868.11,445.29 1879.92,445.29 1885.83,451.2 1885.83,495.08 1891.73,500.99 1903.54,500.99 1909.45,495.08 1909.45,451.2 1915.35,445.29 1927.17,445.29 1933.07,451.2 1933.07,495.08 1938.98,500.99 1950.79,500.99 1956.69,495.08 1956.69,484.25 1964.57,476.38 2000,476.38 2047.24,523.62 2354.33,523.62 2480.32,649.61 2500.98,649.61 2607.28,755.91 2618.11,755.91 2645.67,783.46 v1(2645.67,791.34) ; J14.3@1318.9,1595.28 J14.3@1330.71,1607.09
  L12 w3.15: v1(2645.67,791.34) 2734.83,791.34 2805.7,862.2 2952.76,862.2 R42.2@3031.5,940.94
CSPI1_CLK_R: R42.1 U1.C25 | length 80.7
  L1 w3.15: U1.C25@3070.87,1011.81 3082.68,1000 v1(3082.68,976.38)
  L12 w3.15: R42.1@3070.87,940.94 3070.87,964.57 v1(3082.68,976.38)